# Altium PCB PCB1.PcbDoc (part 8 of 14)
Units mm, origin at the board's own origin, x right, y up, seen from the top; angles counter-clockwise.
Board outline 77.2 x 62.23 mm, 2 copper layers (Top Layer, Bottom Layer); 102 components, 131 nets, 23089 pads, 324 vias.
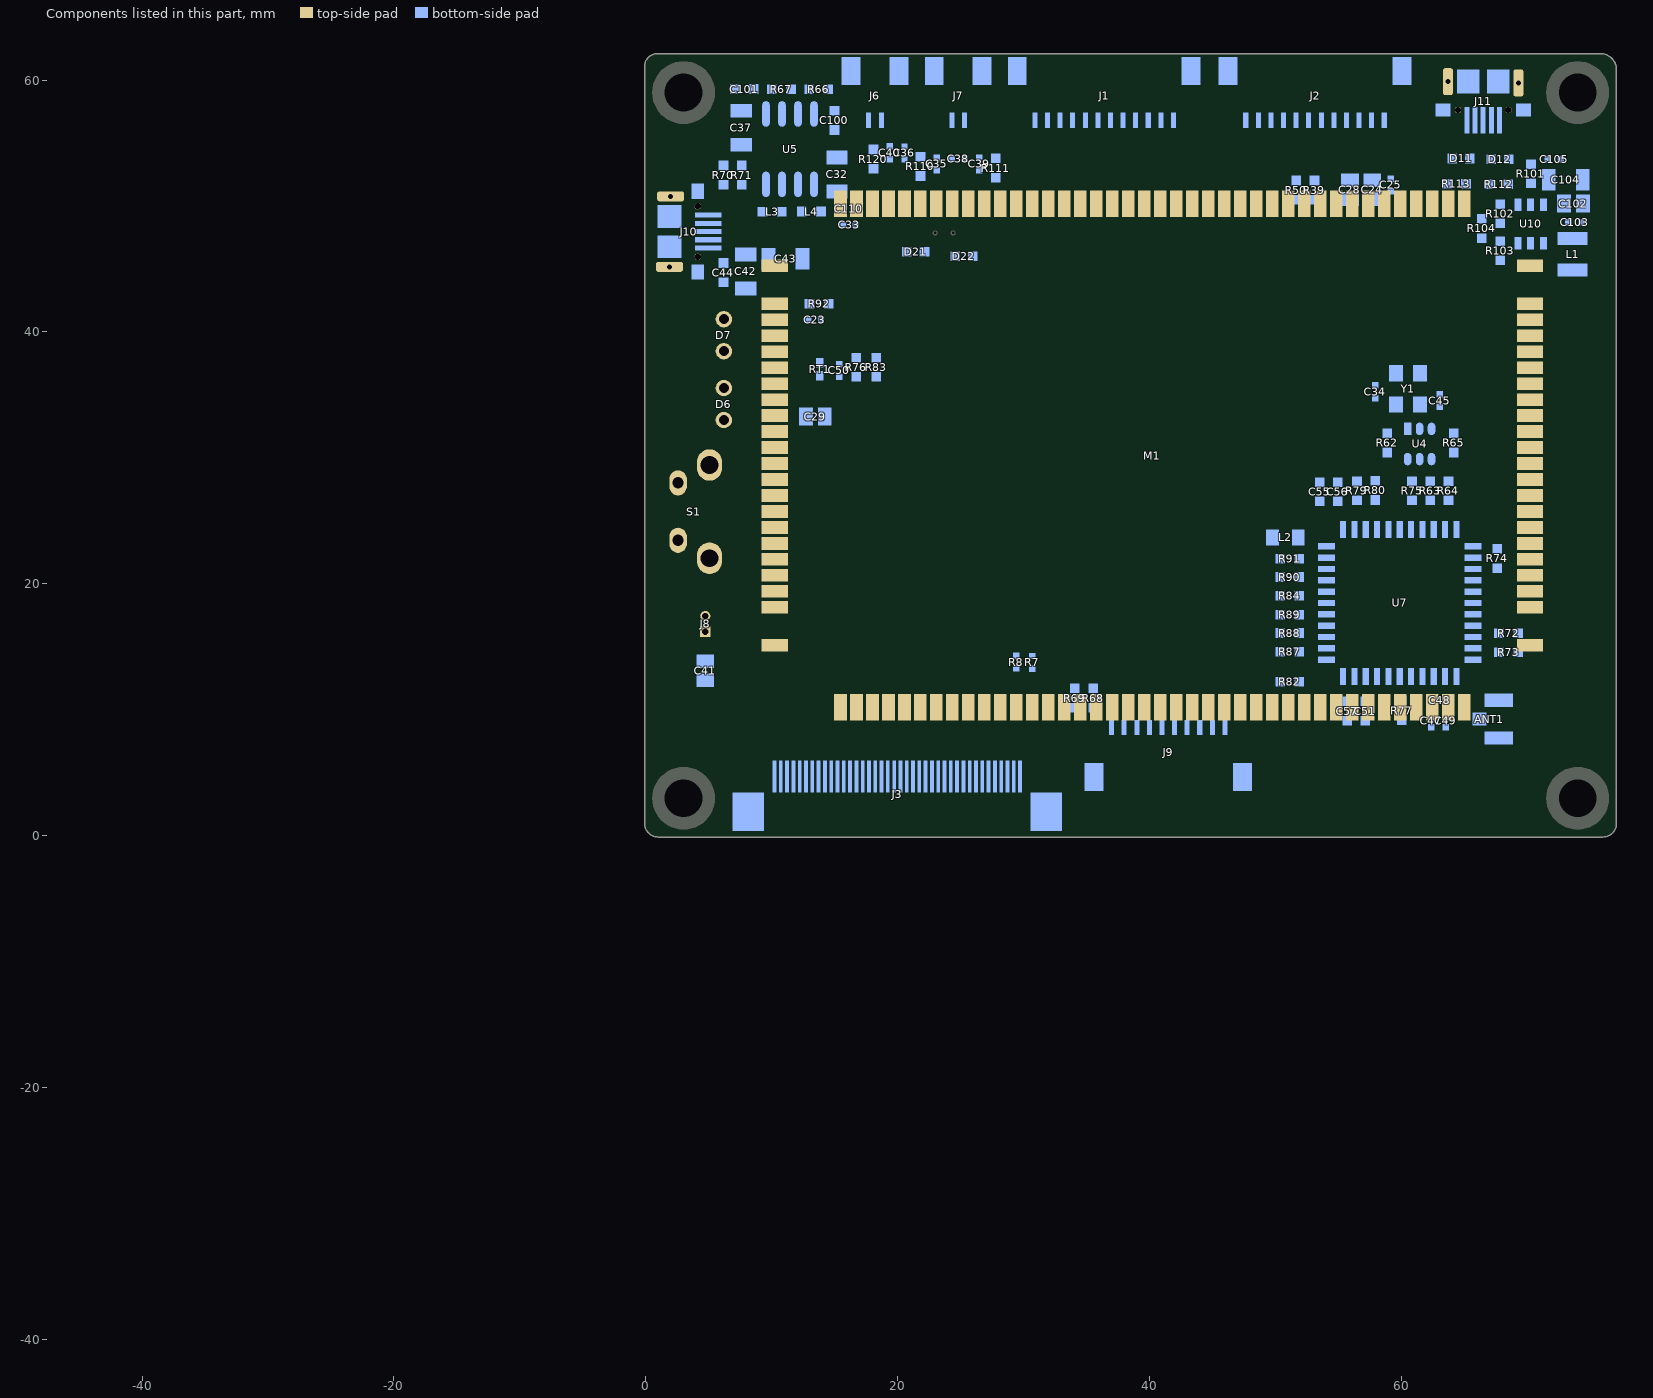
[diagram p8: the components of this part, seen from the top]

## Free pads (board coordinates) (continued)
  round 0 on Mech2: 1(-45.245,-40.51) 1(-45.245,-40.51) 1(-45.245,-40.51) 1(-45.245,-40.51) 1(-45.245,-40.51) 1(-45.245,-40.51) 1(-45.245,-40.495) 1(-45.245,-40.495) 1(-45.245,-40.495) 1(-45.245,-40.495) 1(-45.245,-40.495) 1(-45.245,-40.495) 1(-45.245,-40.494) 1(-45.245,-40.494) 1(-45.245,-40.494) 1(-45.245,-40.494) 1(-45.245,-40.494) 1(-45.245,-40.494) 1(-45.245,-40.485) 1(-45.245,-40.485) 1(-45.245,-40.485) 1(-45.245,-40.48) 1(-45.245,-40.48) 1(-45.245,-40.48) 1(-45.245,-40.48) 1(-45.245,-40.48) 1(-45.245,-40.48) 1(-45.245,-40.465) 1(-45.245,-40.465) 1(-45.245,-40.465) 1(-45.245,-40.465) 1(-45.245,-40.465) 1(-45.245,-40.465) 1(-45.245,-40.48) 1(-45.245,-40.48) 1(-45.245,-40.48) 1(-45.245,-40.48) 1(-45.245,-40.48) 1(-45.245,-40.48) 1(-45.245,-40.511) 1(-45.245,-40.511) 1(-45.245,-40.511) 1(-45.245,-40.511) 1(-45.245,-40.511) 1(-45.245,-40.511) 1(-45.245,-40.511) 1(-45.245,-40.511) 1(-45.245,-40.511) 1(-45.245,-40.511) 1(-45.245,-40.511) 1(-45.245,-40.511) 1(-45.245,-40.496) 1(-45.245,-40.496) 1(-45.245,-40.496) 1(-45.244,-40.494) 1(-45.244,-40.494) 1(-45.244,-40.494) 1(-45.244,-40.494) 1(-45.244,-40.494) 1(-45.244,-40.494) 1(-45.244,-40.507) 1(-45.244,-40.507) 1(-45.244,-40.507) 1(-45.244,-40.486) 1(-45.244,-40.486) 1(-45.244,-40.486) 1(-45.244,-40.486) 1(-45.244,-40.486) 1(-45.244,-40.486) 1(-45.244,-40.51) 1(-45.244,-40.51) 1(-45.244,-40.51) 1(-45.244,-40.51) 1(-45.244,-40.51) 1(-45.244,-40.51) 1(-45.244,-40.498) 1(-45.244,-40.498) 1(-45.244,-40.498) 1(-45.244,-40.509) 1(-45.244,-40.509) 1(-45.244,-40.509) 1(-45.244,-40.48) 1(-45.244,-40.48) 1(-45.244,-40.48) 1(-45.244,-40.48) 1(-45.244,-40.48) 1(-45.244,-40.48) 1(-45.244,-40.48) 1(-45.244,-40.48) 1(-45.244,-40.48) 1(-45.244,-40.48) 1(-45.244,-40.48) 1(-45.244,-40.48) 1(-45.244,-40.486) 1(-45.244,-40.486) 1(-45.244,-40.486) 1(-45.244,-40.48) 1(-45.244,-40.48) 1(-45.244,-40.48) 1(-45.244,-40.48) 1(-45.244,-40.48) 1(-45.244,-40.48) 1(-45.244,-40.472) 1(-45.244,-40.472) 1(-45.244,-40.472) 1(-45.244,-40.484) 1(-45.244,-40.484) 1(-45.244,-40.484) 1(-45.244,-40.484) 1(-45.244,-40.484) 1(-45.244,-40.484) 1(-45.244,-40.483) 1(-45.244,-40.483) 1(-45.244,-40.483) 1(-45.244,-40.482) 1(-45.244,-40.482) 1(-45.244,-40.482) 1(-45.244,-40.48) 1(-45.244,-40.48) 1(-45.244,-40.48) 1(-45.244,-40.48) 1(-45.244,-40.48) 1(-45.244,-40.48) 1(-45.244,-40.511) 1(-45.244,-40.511) 1(-45.244,-40.511) 1(-45.244,-40.49) 1(-45.244,-40.49) 1(-45.244,-40.49) 1(-45.244,-40.49) 1(-45.244,-40.49) 1(-45.244,-40.49) 1(-45.244,-40.488) 1(-45.244,-40.488) 1(-45.244,-40.488) 1(-45.244,-40.466) 1(-45.244,-40.466) 1(-45.244,-40.466) 1(-45.244,-40.466) 1(-45.244,-40.466) 1(-45.244,-40.466) 1(-45.244,-40.466) 1(-45.244,-40.466) 1(-45.244,-40.466) 1(-45.244,-40.48) 1(-45.244,-40.48) 1(-45.244,-40.48) 1(-45.244,-40.48) 1(-45.244,-40.48) 1(-45.244,-40.48) 1(-45.244,-40.5) 1(-45.244,-40.5) 1(-45.244,-40.5) 1(-45.244,-40.481) 1(-45.244,-40.481) 1(-45.244,-40.481) 1(-45.244,-40.481) 1(-45.244,-40.481) 1(-45.244,-40.481) 1(-45.244,-40.488) 1(-45.244,-40.488) 1(-45.244,-40.488) 1(-45.244,-40.488) 1(-45.244,-40.488) 1(-45.244,-40.488) 1(-45.244,-40.512) 1(-45.244,-40.512) 1(-45.244,-40.512) 1(-45.244,-40.512) 1(-45.244,-40.512) 1(-45.244,-40.512) 1(-45.244,-40.484) 1(-45.244,-40.484) 1(-45.244,-40.484) 1(-45.244,-40.484) 1(-45.244,-40.484) 1(-45.244,-40.484) 1(-45.244,-40.479) 1(-45.244,-40.479) 1(-45.244,-40.479) 1(-45.244,-40.479) 1(-45.244,-40.479) 1(-45.244,-40.479) 1(-45.244,-40.479) 1(-45.244,-40.479) 1(-45.244,-40.479) 1(-45.244,-40.479) 1(-45.244,-40.479) 1(-45.244,-40.479) 1(-45.244,-40.487) 1(-45.244,-40.487) 1(-45.244,-40.487) 1(-45.244,-40.487) 1(-45.244,-40.487) 1(-45.244,-40.487) 1(-45.244,-40.486) 1(-45.244,-40.486) 1(-45.244,-40.486) 1(-45.244,-40.486) 1(-45.244,-40.486) 1(-45.244,-40.486) 1(-45.244,-40.485) 1(-45.244,-40.485) 1(-45.244,-40.485) 1(-45.244,-40.485) 1(-45.244,-40.485) 1(-45.244,-40.485) 1(-45.244,-40.478) 1(-45.244,-40.478) 1(-45.244,-40.478) 1(-45.244,-40.478) 1(-45.244,-40.478) 1(-45.244,-40.478) 1(-45.244,-40.495) 1(-45.244,-40.495) 1(-45.244,-40.495) 1(-45.244,-40.49) 1(-45.244,-40.49) 1(-45.244,-40.49) 1(-45.244,-40.49) 1(-45.244,-40.49) 1(-45.244,-40.49) 1(-45.243,-40.519) 1(-45.243,-40.519) 1(-45.243,-40.519) 1(-45.243,-40.489) 1(-45.243,-40.489) 1(-45.243,-40.489) 1(-45.243,-40.504) 1(-45.243,-40.504) 1(-45.243,-40.504) 1(-45.243,-40.504) 1(-45.243,-40.504) 1(-45.243,-40.504) 1(-45.243,-40.478) 1(-45.243,-40.478) 1(-45.243,-40.478) 1(-45.243,-40.478) 1(-45.243,-40.478) 1(-45.243,-40.478) 1(-45.243,-40.499) 1(-45.243,-40.499) 1(-45.243,-40.499) 1(-45.243,-40.499) 1(-45.243,-40.499) 1(-45.243,-40.499) 1(-45.243,-40.498) 1(-45.243,-40.498) 1(-45.243,-40.498) 1(-45.243,-40.498) 1(-45.243,-40.498) 1(-45.243,-40.498) 1(-45.243,-40.482) 1(-45.243,-40.482) 1(-45.243,-40.482) 1(-45.243,-40.482) 1(-45.243,-40.482) 1(-45.243,-40.482) 1(-45.243,-40.473) 1(-45.243,-40.473) 1(-45.243,-40.473) 1(-45.243,-40.473) 1(-45.243,-40.473) 1(-45.243,-40.473) 1(-45.243,-40.472) 1(-45.243,-40.472) 1(-45.243,-40.472) 1(-45.243,-40.472) 1(-45.243,-40.472) 1(-45.243,-40.472) 1(-45.243,-40.504) 1(-45.243,-40.504) 1(-45.243,-40.504) 1(-45.243,-40.477) 1(-45.243,-40.477) 1(-45.243,-40.477) 1(-45.243,-40.477) 1(-45.243,-40.477) 1(-45.243,-40.477) 1(-45.243,-40.463) 1(-45.243,-40.463) 1(-45.243,-40.463) 1(-45.243,-40.463) 1(-45.243,-40.463) 1(-45.243,-40.463) 1(-45.243,-40.477) 1(-45.243,-40.477) 1(-45.243,-40.477) 1(-45.243,-40.477) 1(-45.243,-40.477) 1(-45.243,-40.477) 1(-45.243,-40.471) 1(-45.243,-40.471) 1(-45.243,-40.471) 1(-45.243,-40.471) 1(-45.243,-40.471) 1(-45.243,-40.471) 1(-45.243,-40.47) 1(-45.243,-40.47) 1(-45.243,-40.47) 1(-45.243,-40.47) 1(-45.243,-40.47) 1(-45.243,-40.47) 1(-45.243,-40.47) 1(-45.243,-40.47) 1(-45.243,-40.47) 1(-45.243,-40.47) 1(-45.243,-40.47) 1(-45.243,-40.47) 1(-45.243,-40.466) 1(-45.243,-40.466) 1(-45.243,-40.466) 1(-45.243,-40.484) 1(-45.243,-40.484) 1(-45.243,-40.484) 1(-45.243,-40.484) 1(-45.243,-40.484) 1(-45.243,-40.484) 1(-45.243,-40.483) 1(-45.243,-40.483) 1(-45.243,-40.483) 1(-45.243,-40.482) 1(-45.243,-40.482) 1(-45.243,-40.482) 1(-45.243,-40.482) 1(-45.243,-40.482) 1(-45.243,-40.482) 1(-45.243,-40.493) 1(-45.243,-40.493) 1(-45.243,-40.493) 1(-45.243,-40.492) 1(-45.243,-40.492) 1(-45.243,-40.492) 1(-45.243,-40.492) 1(-45.243,-40.492) 1(-45.243,-40.492) 1(-45.243,-40.492) 1(-45.243,-40.492) 1(-45.243,-40.492) 1(-45.243,-40.492) 1(-45.243,-40.492) 1(-45.243,-40.492) 1(-45.243,-40.49) 1(-45.243,-40.49) 1(-45.243,-40.49) 1(-45.243,-40.49) 1(-45.243,-40.49) 1(-45.243,-40.49) 1(-45.243,-40.486) 1(-45.243,-40.486) 1(-45.243,-40.486) 1(-45.243,-40.486) 1(-45.243,-40.486) 1(-45.243,-40.486) 1(-45.243,-40.483) 1(-45.243,-40.483) 1(-45.243,-40.483) 1(-45.243,-40.477) 1(-45.243,-40.477) 1(-45.243,-40.477) 1(-45.243,-40.477) 1(-45.243,-40.477) 1(-45.243,-40.477) 1(-45.243,-40.473) 1(-45.243,-40.473) 1(-45.243,-40.473) 1(-45.243,-40.473) 1(-45.243,-40.473) 1(-45.243,-40.473) 1(-45.243,-40.472) 1(-45.243,-40.472) 1(-45.243,-40.472) 1(-45.243,-40.472) 1(-45.243,-40.472) 1(-45.243,-40.472) 1(-45.243,-40.476) 1(-45.243,-40.476) 1(-45.243,-40.476) 1(-45.243,-40.476) 1(-45.243,-40.476) 1(-45.243,-40.476) 1(-45.243,-40.511) 1(-45.243,-40.511) 1(-45.243,-40.511) 1(-45.243,-40.479) 1(-45.243,-40.479) 1(-45.243,-40.479) 1(-45.243,-40.479) 1(-45.243,-40.479) 1(-45.243,-40.479) 1(-45.243,-40.481) 1(-45.243,-40.481) 1(-45.243,-40.481) 1(-45.243,-40.481) 1(-45.243,-40.481) 1(-45.243,-40.481) 1(-45.243,-40.476) 1(-45.243,-40.476) 1(-45.243,-40.476) 1(-45.243,-40.476) 1(-45.243,-40.476) 1(-45.243,-40.476) 1(-45.243,-40.504) 1(-45.243,-40.504) 1(-45.243,-40.504) 1(-45.243,-40.504) 1(-45.243,-40.504) 1(-45.243,-40.504) 1(-45.243,-40.508) 1(-45.243,-40.508) 1(-45.243,-40.508) 1(-45.243,-40.508) 1(-45.243,-40.508) 1(-45.243,-40.508) 1(-45.243,-40.501) 1(-45.243,-40.501) 1(-45.243,-40.501) 1(-45.243,-40.501) 1(-45.243,-40.501) 1(-45.243,-40.501) 1(-45.242,-40.505) 1(-45.242,-40.505) 1(-45.242,-40.505) 1(-45.242,-40.505) 1(-45.242,-40.505) 1(-45.242,-40.505) 1(-45.242,-40.475) 1(-45.242,-40.475) 1(-45.242,-40.475) 1(-45.242,-40.475) 1(-45.242,-40.475) 1(-45.242,-40.475) 1(-45.242,-40.519) 1(-45.242,-40.519) 1(-45.242,-40.519) 1(-45.242,-40.519) 1(-45.242,-40.519) 1(-45.242,-40.519) 1(-45.242,-40.482) 1(-45.242,-40.482) 1(-45.242,-40.482) 1(-45.242,-40.482) 1(-45.242,-40.482) 1(-45.242,-40.482) 1(-45.242,-40.486) 1(-45.242,-40.486) 1(-45.242,-40.486) 1(-45.242,-40.485) 1(-45.242,-40.485) 1(-45.242,-40.485) 1(-45.242,-40.485) 1(-45.242,-40.485) 1(-45.242,-40.485) 1(-45.242,-40.485) 1(-45.242,-40.485) 1(-45.242,-40.485) 1(-45.242,-40.484) 1(-45.242,-40.484) 1(-45.242,-40.484) 1(-45.242,-40.484) 1(-45.242,-40.484) 1(-45.242,-40.484) 1(-45.242,-40.475) 1(-45.242,-40.475) 1(-45.242,-40.475) 1(-45.242,-40.475) 1(-45.242,-40.475) 1(-45.242,-40.475) 1(-45.242,-40.518) 1(-45.242,-40.518) 1(-45.242,-40.518) 1(-45.242,-40.518) 1(-45.242,-40.518) 1(-45.242,-40.518) 1(-45.242,-40.474) 1(-45.242,-40.474) 1(-45.242,-40.474) 1(-45.242,-40.474) 1(-45.242,-40.474) 1(-45.242,-40.474) 1(-45.242,-40.483) 1(-45.242,-40.483) 1(-45.242,-40.483) 1(-45.242,-40.489) 1(-45.242,-40.489) 1(-45.242,-40.489) 1(-45.242,-40.471) 1(-45.242,-40.471) 1(-45.242,-40.471) 1(-45.242,-40.471) 1(-45.242,-40.471) 1(-45.242,-40.471) 1(-45.242,-40.466) 1(-45.242,-40.466) 1(-45.242,-40.466) 1(-45.242,-40.518) 1(-45.242,-40.518) 1(-45.242,-40.518) 1(-45.242,-40.518) 1(-45.242,-40.518) 1(-45.242,-40.518) 1(-45.242,-40.512) 1(-45.242,-40.512) 1(-45.242,-40.512) 1(-45.242,-40.512) 1(-45.242,-40.512) 1(-45.242,-40.512) 1(-45.242,-40.51) 1(-45.242,-40.51) 1(-45.242,-40.51) 1(-45.242,-40.51) 1(-45.242,-40.51) 1(-45.242,-40.51) 1(-45.242,-40.498) 1(-45.242,-40.498) 1(-45.242,-40.498) 1(-45.242,-40.488) 1(-45.242,-40.488) 1(-45.242,-40.488) 1(-45.242,-40.471) 1(-45.242,-40.471) 1(-45.242,-40.471) 1(-45.242,-40.471) 1(-45.242,-40.471) 1(-45.242,-40.471) 1(-45.242,-40.474) 1(-45.242,-40.474) 1(-45.242,-40.474) 1(-45.242,-40.474) 1(-45.242,-40.474) 1(-45.242,-40.474) 1(-45.242,-40.507) 1(-45.242,-40.507) 1(-45.242,-40.507) 1(-45.242,-40.507) 1(-45.242,-40.507) 1(-45.242,-40.507) 1(-45.242,-40.5) 1(-45.242,-40.5) 1(-45.242,-40.5) 1(-45.242,-40.5) 1(-45.242,-40.5) 1(-45.242,-40.5) 1(-45.242,-40.5) 1(-45.242,-40.5) 1(-45.242,-40.5) 1(-45.242,-40.518) 1(-45.242,-40.518) 1(-45.242,-40.518) 1(-45.242,-40.518) 1(-45.242,-40.518) 1(-45.242,-40.518) 1(-45.242,-40.501) 1(-45.242,-40.501) 1(-45.242,-40.501) 1(-45.242,-40.501) 1(-45.242,-40.501) 1(-45.242,-40.501) 1(-45.242,-40.48) 1(-45.242,-40.48) 1(-45.242,-40.48) 1(-45.242,-40.48) 1(-45.242,-40.48) 1(-45.242,-40.48) 1(-45.242,-40.512) 1(-45.242,-40.512) 1(-45.242,-40.512) 1(-45.242,-40.512) 1(-45.242,-40.512) 1(-45.242,-40.512) 1(-45.242,-40.511) 1(-45.242,-40.511) 1(-45.242,-40.511) 1(-45.242,-40.511) 1(-45.242,-40.511) 1(-45.242,-40.511) 1(-45.242,-40.507) 1(-45.242,-40.507) 1(-45.242,-40.507) 1(-45.242,-40.507) 1(-45.242,-40.507) 1(-45.242,-40.507) 1(-45.242,-40.506) 1(-45.242,-40.506) 1(-45.242,-40.506) 1(-45.242,-40.506) 1(-45.242,-40.506) 1(-45.242,-40.506) 1(-45.242,-40.504) 1(-45.242,-40.504) 1(-45.242,-40.504) 1(-45.242,-40.503) 1(-45.242,-40.503) 1(-45.242,-40.503) 1(-45.242,-40.503) 1(-45.242,-40.503) 1(-45.242,-40.503) 1(-45.242,-40.501) 1(-45.242,-40.501) 1(-45.242,-40.501) 1(-45.242,-40.501) 1(-45.242,-40.501) 1(-45.242,-40.501) 1(-45.242,-40.506) 1(-45.242,-40.506) 1(-45.242,-40.506) 1(-45.242,-40.506) 1(-45.242,-40.506) 1(-45.242,-40.506) 1(-45.242,-40.517) 1(-45.242,-40.517) 1(-45.242,-40.517) 1(-45.242,-40.517) 1(-45.242,-40.517) 1(-45.242,-40.517) 1(-45.242,-40.509) 1(-45.242,-40.509) 1(-45.242,-40.509) 1(-45.242,-40.509) 1(-45.242,-40.509) 1(-45.242,-40.509) 1(-45.242,-40.509) 1(-45.242,-40.509) 1(-45.242,-40.509) 1(-45.242,-40.509) 1(-45.242,-40.509) 1(-45.242,-40.509) 1(-45.242,-40.49) 1(-45.242,-40.49) 1(-45.242,-40.49) 1(-45.242,-40.49) 1(-45.242,-40.49) 1(-45.242,-40.49) 1(-45.242,-40.486) 1(-45.242,-40.486) 1(-45.242,-40.486) 1(-45.242,-40.485) 1(-45.242,-40.485) 1(-45.242,-40.485) 1(-45.242,-40.485) 1(-45.242,-40.485) 1(-45.242,-40.485) 1(-45.242,-40.483) 1(-45.242,-40.483) 1(-45.242,-40.483) 1(-45.242,-40.482) 1(-45.242,-40.482) 1(-45.242,-40.482) 1(-45.242,-40.482) 1(-45.242,-40.482) 1(-45.242,-40.482) 1(-45.242,-40.515) 1(-45.242,-40.515) 1(-45.242,-40.515) 1(-45.242,-40.515) 1(-45.242,-40.515) 1(-45.242,-40.515) 1(-45.242,-40.47) 1(-45.242,-40.47) 1(-45.242,-40.47) 1(-45.242,-40.47) 1(-45.242,-40.47) 1(-45.242,-40.47) 1(-45.242,-40.465) 1(-45.242,-40.465) 1(-45.242,-40.465) 1(-45.242,-40.465) 1(-45.242,-40.465) 1(-45.242,-40.465) 1(-45.241,-40.517) 1(-45.241,-40.517) 1(-45.241,-40.517) 1(-45.241,-40.517) 1(-45.241,-40.517) 1(-45.241,-40.517) 1(-45.241,-40.48) 1(-45.241,-40.48) 1(-45.241,-40.48) 1(-45.241,-40.48) 1(-45.241,-40.48) 1(-45.241,-40.48) 1(-45.241,-40.492) 1(-45.241,-40.492) 1(-45.241,-40.492) 1(-45.241,-40.516) 1(-45.241,-40.516) 1(-45.241,-40.516) 1(-45.241,-40.516) 1(-45.241,-40.516) 1(-45.241,-40.516) 1(-45.241,-40.503) 1(-45.241,-40.503) 1(-45.241,-40.503) 1(-45.241,-40.503) 1(-45.241,-40.503) 1(-45.241,-40.503) 1(-45.241,-40.51) 1(-45.241,-40.51) 1(-45.241,-40.51) 1(-45.241,-40.51) 1(-45.241,-40.51) 1(-45.241,-40.51) 1(-45.241,-40.472) 1(-45.241,-40.472) 1(-45.241,-40.472) 1(-45.241,-40.472) 1(-45.241,-40.472) 1(-45.241,-40.472) 1(-45.241,-40.47) 1(-45.241,-40.47) 1(-45.241,-40.47) 1(-45.241,-40.47) 1(-45.241,-40.47) 1(-45.241,-40.47) 1(-45.241,-40.515) 1(-45.241,-40.515) 1(-45.241,-40.515) 1(-45.241,-40.515) 1(-45.241,-40.515) 1(-45.241,-40.515) 1(-45.241,-40.479) 1(-45.241,-40.479) 1(-45.241,-40.479) 1(-45.241,-40.479) 1(-45.241,-40.479) 1(-45.241,-40.479) 1(-45.241,-40.501) 1(-45.241,-40.501) 1(-45.241,-40.501) 1(-45.241,-40.501) 1(-45.241,-40.501) 1(-45.241,-40.501) 1(-45.241,-40.504) 1(-45.241,-40.504) 1(-45.241,-40.504) 1(-45.241,-40.504) 1(-45.241,-40.504) 1(-45.241,-40.504) 1(-45.241,-40.496) 1(-45.241,-40.496) 1(-45.241,-40.496) 1(-45.241,-40.472) 1(-45.241,-40.472) 1(-45.241,-40.472) 1(-45.241,-40.472) 1(-45.241,-40.472) 1(-45.241,-40.472) 1(-45.241,-40.495) 1(-45.241,-40.495) 1(-45.241,-40.495) 1(-45.241,-40.466) 1(-45.241,-40.466) 1(-45.241,-40.466) 1(-45.241,-40.465) 1(-45.241,-40.465) 1(-45.241,-40.465) 1(-45.241,-40.465) 1(-45.241,-40.465) 1(-45.241,-40.465) 1(-45.241,-40.49) 1(-45.241,-40.49) 1(-45.241,-40.49) 1(-45.241,-40.49) 1(-45.241,-40.49) 1(-45.241,-40.49) 1(-45.241,-40.486) 1(-45.241,-40.486) 1(-45.241,-40.486) 1(-45.241,-40.486) 1(-45.241,-40.486) 1(-45.241,-40.486) 1(-45.241,-40.485) 1(-45.241,-40.485) 1(-45.241,-40.485) 1(-45.241,-40.485) 1(-45.241,-40.485) 1(-45.241,-40.485) 1(-45.241,-40.491) 1(-45.241,-40.491) 1(-45.241,-40.491) 1(-45.241,-40.491) 1(-45.241,-40.491) 1(-45.241,-40.491) 1(-45.241,-40.507) 1(-45.241,-40.507) 1(-45.241,-40.507) 1(-45.241,-40.507) 1(-45.241,-40.507) 1(-45.241,-40.507) 1(-45.241,-40.51) 1(-45.241,-40.51) 1(-45.241,-40.51) 1(-45.241,-40.51) 1(-45.241,-40.51) 1(-45.241,-40.51) 1(-45.241,-40.509) 1(-45.241,-40.509) 1(-45.241,-40.509) 1(-45.241,-40.509) 1(-45.241,-40.509) 1(-45.241,-40.509) 1(-45.241,-40.48) 1(-45.241,-40.48) 1(-45.241,-40.48) 1(-45.241,-40.48) 1(-45.241,-40.48) 1(-45.241,-40.48) 1(-45.241,-40.503) 1(-45.241,-40.503) 1(-45.241,-40.503) 1(-45.241,-40.503) 1(-45.241,-40.503) 1(-45.241,-40.503) 1(-45.241,-40.502) 1(-45.241,-40.502) 1(-45.241,-40.502) 1(-45.241,-40.502) 1(-45.241,-40.502) 1(-45.241,-40.502) 1(-45.241,-40.508) 1(-45.241,-40.508) 1(-45.241,-40.508) 1(-45.241,-40.508) 1(-45.241,-40.508) 1(-45.241,-40.508) 1(-45.241,-40.484) 1(-45.241,-40.484) 1(-45.241,-40.484) 1(-45.241,-40.484) 1(-45.241,-40.484) 1(-45.241,-40.484) 1(-45.241,-40.505) 1(-45.241,-40.505) 1(-45.241,-40.505) 1(-45.241,-40.505) 1(-45.241,-40.505) 1(-45.241,-40.505) 1(-45.241,-40.479) 1(-45.241,-40.479) 1(-45.241,-40.479) 1(-45.241,-40.479) 1(-45.241,-40.479) 1(-45.241,-40.479) 1(-45.241,-40.473) 1(-45.241,-40.473) 1(-45.241,-40.473) 1(-45.241,-40.471) 1(-45.241,-40.471) 1(-45.241,-40.471) 1(-45.241,-40.47) 1(-45.241,-40.47) 1(-45.241,-40.47) 1(-45.241,-40.47) 1(-45.241,-40.47) 1(-45.241,-40.47) 1(-45.241,-40.507) 1(-45.241,-40.507) 1(-45.241,-40.507) 1(-45.241,-40.507) 1(-45.241,-40.507) 1(-45.241,-40.507) 1(-45.24,-40.49) 1(-45.24,-40.49) 1(-45.24,-40.49) 1(-45.24,-40.49) 1(-45.24,-40.49) 1(-45.24,-40.49) 1(-45.24,-40.49) 1(-45.24,-40.49) 1(-45.24,-40.49) 1(-45.24,-40.49) 1(-45.24,-40.49) 1(-45.24,-40.49) 1(-45.24,-40.503) 1(-45.24,-40.503) 1(-45.24,-40.503) 1(-45.24,-40.503) 1(-45.24,-40.503) 1(-45.24,-40.503) 1(-45.24,-40.507) 1(-45.24,-40.507) 1(-45.24,-40.507) 1(-45.24,-40.507) 1(-45.24,-40.507) 1(-45.24,-40.507) 1(-45.24,-40.486) 1(-45.24,-40.486) 1(-45.24,-40.486) 1(-45.24,-40.492) 1(-45.24,-40.492) 1(-45.24,-40.492) 1(-45.24,-40.484) 1(-45.24,-40.484) 1(-45.24,-40.484) 1(-45.24,-40.484) 1(-45.24,-40.484) 1(-45.24,-40.484) 1(-45.24,-40.501) 1(-45.24,-40.501) 1(-45.24,-40.501) 1(-45.24,-40.501) 1(-45.24,-40.501) 1(-45.24,-40.501) 1(-45.24,-40.464) 1(-45.24,-40.464) 1(-45.24,-40.464) 1(-45.24,-40.464) 1(-45.24,-40.464) 1(-45.24,-40.464) 1(-45.24,-40.504) 1(-45.24,-40.504) 1(-45.24,-40.504) 1(-45.24,-40.504) 1(-45.24,-40.504) 1(-45.24,-40.504) 1(-45.24,-40.483) 1(-45.24,-40.483) 1(-45.24,-40.483) 1(-45.24,-40.483) 1(-45.24,-40.483) 1(-45.24,-40.483) 1(-45.24,-40.482) 1(-45.24,-40.482) 1(-45.24,-40.482) 1(-45.24,-40.482) 1(-45.24,-40.482) 1(-45.24,-40.482) 1(-45.24,-40.48) 1(-45.24,-40.48) 1(-45.24,-40.48) 1(-45.24,-40.48) 1(-45.24,-40.48) 1(-45.24,-40.48) 1(-45.24,-40.512) 1(-45.24,-40.512) 1(-45.24,-40.512) 1(-45.24,-40.488) 1(-45.24,-40.488) 1(-45.24,-40.488) 1(-45.24,-40.486) 1(-45.24,-40.486) 1(-45.24,-40.486) 1(-45.24,-40.486) 1(-45.24,-40.486) 1(-45.24,-40.486) 1(-45.24,-40.47) 1(-45.24,-40.47) 1(-45.24,-40.47) 1(-45.24,-40.47) 1(-45.24,-40.47) 1(-45.24,-40.47) 1(-45.24,-40.466) 1(-45.24,-40.466) 1(-45.24,-40.466) 1(-45.24,-40.466) 1(-45.24,-40.466) 1(-45.24,-40.466) 1(-45.24,-40.465) 1(-45.24,-40.465) 1(-45.24,-40.465) 1(-45.24,-40.465) 1(-45.24,-40.465) 1(-45.24,-40.465) 1(-45.24,-40.511) 1(-45.24,-40.511) 1(-45.24,-40.511) 1(-45.24,-40.511) 1(-45.24,-40.511) 1(-45.24,-40.511) 1(-45.24,-40.472) 1(-45.24,-40.472) 1(-45.24,-40.472) 1(-45.24,-40.472) 1(-45.24,-40.472) 1(-45.24,-40.472) 1(-45.24,-40.491) 1(-45.24,-40.491) 1(-45.24,-40.491) 1(-45.24,-40.491) 1(-45.24,-40.491) 1(-45.24,-40.491) 1(-45.24,-40.489) 1(-45.24,-40.489) 1(-45.24,-40.489) 1(-45.24,-40.489) 1(-45.24,-40.489) 1(-45.24,-40.489) 1(-45.24,-40.485) 1(-45.24,-40.485) 1(-45.24,-40.485) 1(-45.24,-40.511) 1(-45.24,-40.511) 1(-45.24,-40.511) 1(-45.24,-40.511) 1(-45.24,-40.511) 1(-45.24,-40.511) 1(-45.24,-40.509) 1(-45.24,-40.509) 1(-45.24,-40.509) 1(-45.24,-40.508) 1(-45.24,-40.508) 1(-45.24,-40.508) 1(-45.24,-40.507) 1(-45.24,-40.507) 1(-45.24,-40.507) 1(-45.24,-40.507) 1(-45.24,-40.507) 1(-45.24,-40.507) 1(-45.24,-40.506) 1(-45.24,-40.506) 1(-45.24,-40.506) 1(-45.24,-40.505) 1(-45.24,-40.505) 1(-45.24,-40.505) 1(-45.24,-40.504) 1(-45.24,-40.504) 1(-45.24,-40.504) 1(-45.24,-40.503) 1(-45.24,-40.503) 1(-45.24,-40.503) 1(-45.24,-40.502) 1(-45.24,-40.502) 1(-45.24,-40.502) 1(-45.24,-40.501) 1(-45.24,-40.501) 1(-45.24,-40.501) 1(-45.24,-40.473) 1(-45.24,-40.473) 1(-45.24,-40.473) 1(-45.24,-40.473) 1(-45.24,-40.473) 1(-45.24,-40.473) 1(-45.24,-40.482) 1(-45.24,-40.482) 1(-45.24,-40.482) 1(-45.24,-40.482) 1(-45.24,-40.482) 1(-45.24,-40.482) 1(-45.239,-40.494) 1(-45.239,-40.494) 1(-45.239,-40.494) 1(-45.239,-40.494) 1(-45.239,-40.494) 1(-45.239,-40.494) 1(-45.239,-40.495) 1(-45.239,-40.495) 1(-45.239,-40.495) 1(-45.239,-40.487) 1(-45.239,-40.487) 1(-45.239,-40.487) 1(-45.239,-40.487) 1(-45.239,-40.487) 1(-45.239,-40.487) 1(-45.239,-40.465) 1(-45.239,-40.465) 1(-45.239,-40.465) 1(-45.239,-40.465) 1(-45.239,-40.465) 1(-45.239,-40.465) 1(-45.239,-40.472) 1(-45.239,-40.472) 1(-45.239,-40.472) 1(-45.239,-40.472) 1(-45.239,-40.472) 1(-45.239,-40.472) 1(-45.239,-40.472) 1(-45.239,-40.472) 1(-45.239,-40.472) 1(-45.239,-40.472) 1(-45.239,-40.472) 1(-45.239,-40.472) 1(-45.239,-40.472) 